# Altium PCB uZed_breakout.PcbDoc (part 3 of 5)
Units mm, origin at the board's own origin, x right, y up, seen from the top; angles counter-clockwise.
Board outline 101.6 x 80.24 mm, 4 copper layers (Top Layer, Layer 1, Layer 2, Bottom Layer), stack 0.603 mm thick; 63 components, 141 nets, 670 pads, 2215 vias.
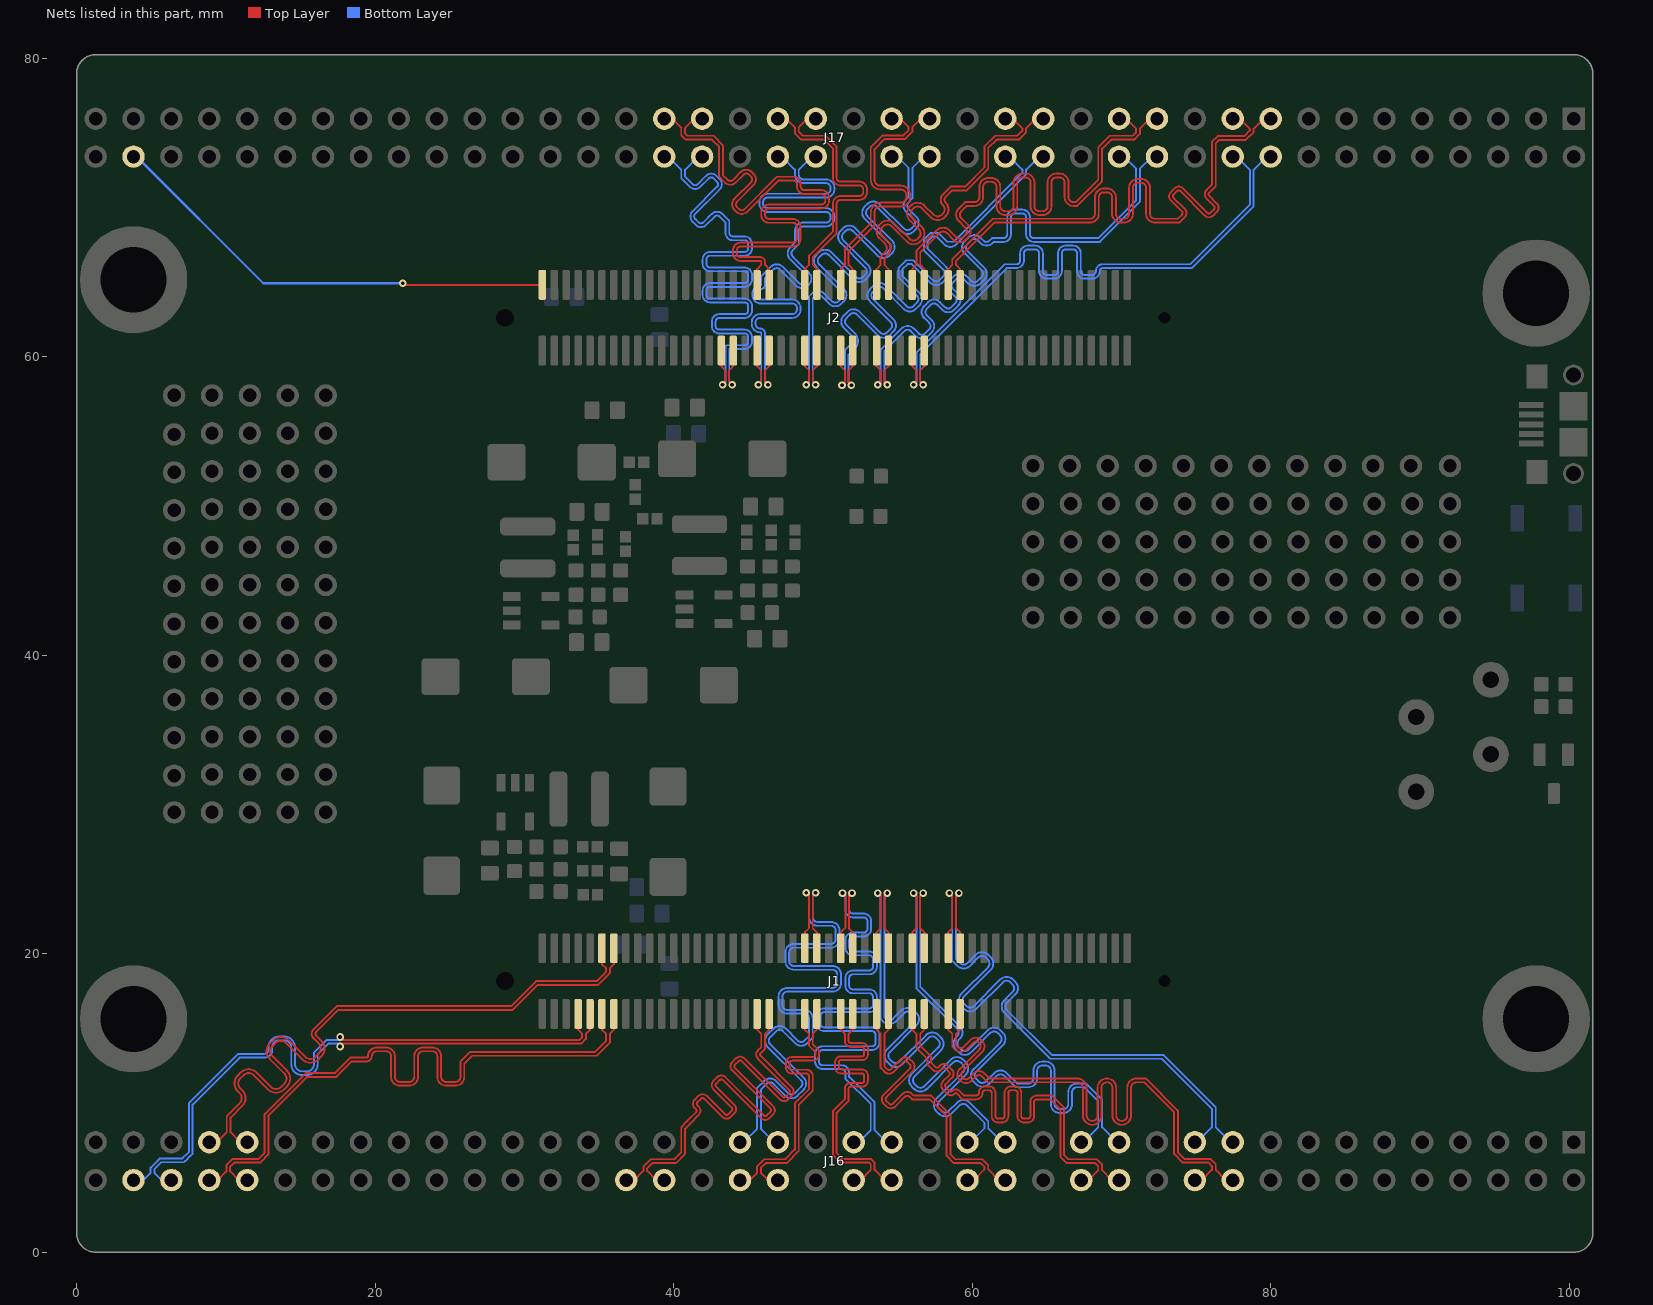
[diagram p5: the nets of this part, all layers, seen from the top]

## Via types
v1: diameter 0.508, hole 0.2, Top Layer to Bottom Layer, tented both sides, 2131 vias
v2: diameter 0.508, hole 0.254, Top Layer to Bottom Layer, tented both sides, 78 vias
v3: diameter 0.711, hole 0.381, Top Layer to Bottom Layer, tented both sides, 5 vias
v4: diameter 0.762, hole 0.381, Top Layer to Bottom Layer, tented both sides, 1 vias

## Nets (pads, with @x,y where several pads share a name; then routed paths per layer and width w, separated by ;. In a path a pad name is that pad's centre, name@x,y a point inside that pad or via, vN(x,y) a via of type N, cw(c..) or ccw(c..) an arc to the next point about the centre after c; other vN are vias at no path point) (continued)
L5_T0_35_N: J2.32 J17.19 | length 41.7
  Top Layer w0.127: J2.32@58.4,64.811 58.4,65.875 58.673,66.148 58.673,66.525 61.388,69.24 67.907,69.24 ccw(c67.907,69.571) 68.237,69.571 68.237,70.68 cw(c68.821,70.68) 68.821,71.265 69.05,71.265 cw(c69.05,70.68) 69.634,70.68 69.634,69.571 ccw(c69.964,69.571) 69.964,69.24 70.193,69.24 ccw(c70.193,69.571) 70.523,69.571 70.523,71.323 cw(c71.107,71.323) 71.107,71.907 71.336,71.907 cw(c71.336,71.323) 71.92,71.323 71.92,69.571 ccw(c72.25,69.571) 72.25,69.24 73.787,69.24 74.072,69.525 ccw(c73.973,69.624) 74.112,69.624 ccw(c73.973,69.624) 74.072,69.723 73.317,70.477 cw(c73.596,70.755) 73.317,71.034 73.569,71.285 cw(c73.847,71.007) 74.125,71.285 75.775,69.635 ccw(c75.874,69.734) 75.973,69.635 76.224,69.887 ccw(c76.125,69.986) 76.265,69.986 ccw(c76.125,69.986) 76.224,70.084 75.706,70.603 cw(c75.984,70.881) 75.706,71.159 76.073,71.526 76.073,74.4 76.45,74.778 78.232,74.778 78.613,75.159 78.613,75.26 77.927,75.946 J17.19@77.47,75.946 J17.19@77.165,75.946
L5_T0_35_P: J2.30 J17.17 | length 41.4
  Top Layer w0.127: J2.30@59.2,64.811 59.2,65.875 58.927,66.148 58.927,66.42 61.493,68.986 67.907,68.986 ccw(c67.907,69.571) 68.491,69.571 68.491,70.68 cw(c68.821,70.68) 68.821,71.011 69.05,71.011 cw(c69.05,70.68) 69.38,70.68 69.38,69.571 ccw(c69.964,69.571) 69.964,68.986 70.193,68.986 ccw(c70.193,69.571) 70.777,69.571 70.777,71.323 cw(c71.107,71.323) 71.107,71.653 71.336,71.653 cw(c71.336,71.323) 71.666,71.323 71.666,69.571 ccw(c72.25,69.571) 72.25,68.986 73.892,68.986 74.251,69.345 ccw(c73.973,69.624) 74.366,69.624 ccw(c73.973,69.624) 74.251,69.902 73.497,70.656 cw(c73.596,70.755) 73.497,70.854 73.748,71.105 cw(c73.847,71.007) 73.946,71.105 75.596,69.456 ccw(c75.874,69.734) 76.152,69.456 76.404,69.707 ccw(c76.125,69.986) 76.519,69.986 ccw(c76.125,69.986) 76.404,70.264 75.886,70.782 cw(c75.984,70.881) 75.886,70.98 76.327,71.421 76.327,74.295 76.556,74.524 78.337,74.524 78.867,75.053 78.867,75.26 79.553,75.946 J17.17@80.01,75.946
L6_T1_34_N: J1.31 J16.22 | length 40.4
  Top Layer w0.127: J1.31@58.4,15.961 58.4,14.897 58.673,14.624 58.673,13.763 58.875,13.561 ccw(c59.24,13.925) 59.605,13.561 60.074,14.03 cw(c60.259,13.845) 60.444,14.03 60.505,13.969 cw(c60.32,13.784) 60.581,13.784 cw(c60.32,13.784) 60.505,13.599 59.169,12.263 ccw(c59.534,11.899) 59.169,11.534 59.231,11.473 ccw(c59.595,11.838) 59.96,11.473 60.276,11.79 cw(c60.461,11.605) 60.646,11.79 61.057,11.379 67.056,11.379 cw(c67.056,11.011) 67.424,11.011 67.424,9.157 ccw(c68.047,9.157) 68.669,9.157 68.669,11.011 cw(c69.037,11.011) 69.406,11.011 69.406,9.157 ccw(c70.028,9.157) 70.65,9.157 70.65,11.011 cw(c71.018,11.011) 71.018,11.379 71.526,11.379 73.533,9.373 73.533,6.575 74.114,5.994 75.844,5.994 76.073,5.766 76.073,5.512 75.387,4.826 J16.22@74.93,4.826
L6_T1_34_P: J1.29 J16.20 | length 40.4
  Top Layer w0.127: J1.29@59.2,15.961 59.2,14.897 58.927,14.624 58.927,13.868 59.055,13.74 ccw(c59.24,13.925) 59.425,13.74 59.894,14.209 cw(c60.259,13.845) 60.623,14.209 60.684,14.148 cw(c60.32,13.784) 60.835,13.784 cw(c60.32,13.784) 60.684,13.419 59.349,12.084 ccw(c59.534,11.899) 59.349,11.714 59.41,11.653 ccw(c59.595,11.838) 59.78,11.653 60.097,11.969 cw(c60.461,11.605) 60.826,11.969 61.162,11.633 67.056,11.633 cw(c67.056,11.011) 67.678,11.011 67.678,9.157 ccw(c68.047,9.157) 68.415,9.157 68.415,11.011 cw(c69.037,11.011) 69.659,11.011 69.659,9.157 ccw(c70.028,9.157) 70.396,9.157 70.396,11.011 cw(c71.018,11.011) 71.018,11.633 71.632,11.633 73.787,9.478 73.787,6.68 74.219,6.248 75.95,6.248 76.327,5.871 76.327,5.512 77.013,4.826 J16.20@77.47,4.826
L6_T1_35_N: J2.37 J17.20 | length 41.2
  Top Layer w0.127: J2.37@56,60.411 56,59.347 56.273,59.074 56.273,58.306 v2(56.083,58.115)
  Bottom Layer w0.127: v2(56.083,58.115) 56.273,58.306 56.273,60.261 62.205,66.192 62.967,66.192 ccw(c62.967,66.446) 63.221,66.446 63.221,66.931 cw(c63.729,66.931) 63.729,67.439 64.237,67.439 cw(c64.237,66.931) 64.745,66.931 64.745,65.735 ccw(c64.999,65.735) 64.999,65.481 65.507,65.481 ccw(c65.507,65.735) 65.761,65.735 65.761,66.931 cw(c66.269,66.931) 66.269,67.439 66.777,67.439 cw(c66.777,66.931) 67.285,66.931 67.285,65.735 ccw(c67.539,65.735) 67.539,65.481 68.047,65.481 ccw(c68.047,65.735) 68.301,65.735 cw(c68.758,65.735) 68.758,66.192 74.625,66.192 78.613,70.18 78.613,72.517 77.724,73.406 J17.20@77.47,73.406
L6_T1_35_P: J2.35 J17.18 | length 41.2
  Top Layer w0.127: v2(56.718,58.115) 56.527,58.306 56.527,59.074 56.8,59.347 J2.35@56.8,60.411
  Bottom Layer w0.127: v2(56.718,58.115) 56.527,58.306 56.527,60.156 62.31,65.938 62.967,65.938 ccw(c62.967,66.446) 63.475,66.446 63.475,66.931 cw(c63.729,66.931) 63.729,67.185 64.237,67.185 cw(c64.237,66.931) 64.491,66.931 64.491,65.735 ccw(c64.999,65.735) 64.999,65.227 65.507,65.227 ccw(c65.507,65.735) 66.015,65.735 66.015,66.931 cw(c66.269,66.931) 66.269,67.185 66.777,67.185 cw(c66.777,66.931) 67.031,66.931 67.031,65.735 ccw(c67.539,65.735) 67.539,65.227 68.047,65.227 ccw(c68.047,65.735) 68.555,65.735 cw(c68.758,65.735) 68.758,65.938 74.73,65.938 78.867,70.075 78.867,72.517 79.756,73.406 J17.18@80.01,73.406
L6_T3_13_N: J2.100 J17.78 | length 31
  Top Layer w0.152: v2(21.844,64.922) 21.955,64.811 J2.100@31.2,64.811
  Bottom Layer w0.152: J17.78@3.81,73.406 4.013,73.406 12.497,64.922 v2(21.844,64.922)
L7_T1_34_N: J1.32 J16.21 | length 41.6
  Top Layer w0.127: J1.32@58.4,20.361 58.4,21.425 58.673,21.698 58.673,23.863 v2(58.483,24.054)
  Bottom Layer w0.127: v2(58.483,24.054) 58.673,23.863 58.673,19.53 59.022,19.181 ccw(c59.442,19.602) 59.862,19.181 60.422,19.742 cw(c60.663,19.501) 60.904,19.742 61.069,19.577 cw(c60.828,19.336) 61.169,19.336 cw(c60.828,19.336) 61.069,19.095 59.287,17.314 ccw(c59.708,16.893) 59.287,16.473 59.453,16.308 ccw(c59.873,16.728) 60.293,16.308 62.075,18.089 cw(c62.315,17.849) 62.556,18.089 62.721,17.924 cw(c62.481,17.684) 62.821,17.684 cw(c62.481,17.684) 62.721,17.443 62.161,16.883 ccw(c62.581,16.462) 62.161,16.042 65.249,12.954 72.72,12.954 76.073,9.601 76.073,8.357 75.082,7.366 J16.21@74.93,7.366
L7_T1_34_P: J1.30 J16.19 | length 41.6
  Top Layer w0.127: v2(59.118,24.054) 58.927,23.863 58.927,21.698 59.2,21.425 J1.30@59.2,20.361
  Bottom Layer w0.127: v2(59.118,24.054) 58.927,23.863 58.927,19.635 59.201,19.361 ccw(c59.442,19.602) 59.682,19.361 60.243,19.921 cw(c60.663,19.501) 61.083,19.921 61.249,19.756 cw(c60.828,19.336) 61.423,19.336 cw(c60.828,19.336) 61.249,18.916 59.467,17.134 ccw(c59.708,16.893) 59.467,16.653 59.632,16.487 ccw(c59.873,16.728) 60.114,16.487 61.895,18.269 cw(c62.315,17.849) 62.736,18.269 62.901,18.104 cw(c62.481,17.684) 63.075,17.684 cw(c62.481,17.684) 62.901,17.263 62.341,16.703 ccw(c62.581,16.462) 62.341,16.222 65.354,13.208 72.825,13.208 76.327,9.706 76.327,8.357 77.318,7.366 J16.19@77.47,7.366
L7_T1_35_N: J2.38 J17.25 | length 36.6
  Top Layer w0.127: J2.38@56,64.811 56,65.875 56.273,66.148 56.273,67.097 57.646,68.47 cw(c58.059,68.057) 58.473,68.47 58.927,68.016 ccw(c59.16,68.25) 59.394,68.016 59.555,68.178 ccw(c59.322,68.411) 59.652,68.411 ccw(c59.322,68.411) 59.555,68.645 59.101,69.099 cw(c59.514,69.512) 59.101,69.925 59.534,70.358 60.16,70.358 ccw(c60.16,70.688) 60.49,70.688 60.49,71.392 cw(c61.074,71.392) 61.074,71.976 61.303,71.976 cw(c61.303,71.392) 61.887,71.392 61.887,70.079 ccw(c62.217,70.079) 62.217,69.748 62.446,69.748 ccw(c62.446,70.079) 62.776,70.079 62.776,71.679 cw(c63.36,71.679) 63.36,72.263 63.589,72.263 cw(c63.589,71.679) 64.173,71.679 64.173,70.079 ccw(c64.503,70.079) 64.503,69.748 64.732,69.748 ccw(c64.732,70.079) 65.062,70.079 65.062,71.679 cw(c65.646,71.679) 65.646,72.263 65.875,72.263 cw(c65.875,71.679) 66.459,71.679 66.459,70.688 ccw(c66.789,70.688) 66.789,70.358 66.954,70.358 68.453,71.857 68.453,74.045 69.211,74.803 70.761,74.803 70.993,75.035 70.993,75.286 70.333,75.946 J17.25@69.85,75.946
L7_T1_35_P: J2.36 J17.23 | length 36.6
  Top Layer w0.127: J2.36@56.8,64.811 56.8,65.875 56.527,66.148 56.527,66.992 57.826,68.291 cw(c58.059,68.057) 58.293,68.291 58.747,67.837 ccw(c59.16,68.25) 59.573,67.837 59.735,67.998 ccw(c59.322,68.411) 59.906,68.411 ccw(c59.322,68.411) 59.735,68.824 59.281,69.279 cw(c59.514,69.512) 59.281,69.746 59.639,70.104 60.16,70.104 ccw(c60.16,70.688) 60.744,70.688 60.744,71.392 cw(c61.074,71.392) 61.074,71.722 61.303,71.722 cw(c61.303,71.392) 61.633,71.392 61.633,70.079 ccw(c62.217,70.079) 62.217,69.494 62.446,69.494 ccw(c62.446,70.079) 63.03,70.079 63.03,71.679 cw(c63.36,71.679) 63.36,72.009 63.589,72.009 cw(c63.589,71.679) 63.919,71.679 63.919,70.079 ccw(c64.503,70.079) 64.503,69.494 64.732,69.494 ccw(c64.732,70.079) 65.316,70.079 65.316,71.679 cw(c65.646,71.679) 65.646,72.009 65.875,72.009 cw(c65.875,71.679) 66.205,71.679 66.205,70.688 ccw(c66.789,70.688) 66.789,70.104 67.06,70.104 68.707,71.751 68.707,73.939 69.317,74.549 70.866,74.549 71.247,74.93 71.247,75.286 71.907,75.946 J17.23@72.39,75.946
L8_T1_34_N: J1.37 J16.28 | length 30.6
  Top Layer w0.127: J1.37@56,15.961 56,14.897 56.273,14.624 56.273,13.7 57.003,12.97 57.003,12.589 57.376,12.217 ccw(c57.654,12.495) 57.932,12.217 58.022,12.307 cw(c58.121,12.208) 58.22,12.307 58.471,12.055 cw(c58.372,11.956) 58.512,11.956 cw(c58.372,11.956) 58.471,11.858 58.05,11.437 ccw(c58.329,11.159) 58.05,10.88 58.302,10.629 ccw(c58.58,10.907) 58.859,10.629 cw(c58.911,10.576) 58.964,10.629 59.356,10.236 60.277,10.236 ccw(c60.277,10.665) 60.706,10.665 ; 60.706,10.671 cw(c60.881,10.671) 60.881,10.846 61.14,10.846 cw(c61.14,10.671) 61.316,10.671 61.316,9.116 ccw(c61.745,9.116) 61.745,8.687 62.004,8.687 ccw(c62.004,9.116) 62.433,9.116 62.433,10.671 cw(c62.608,10.671) 62.608,10.846 62.868,10.846 cw(c62.868,10.671) 63.043,10.671 63.043,9.116 ccw(c63.472,9.116) 63.472,8.687 63.731,8.687 ccw(c63.731,9.116) 64.16,9.116 64.16,10.061 cw(c64.336,10.061) 64.336,10.236 65.253,10.236 65.913,9.576 65.913,6.397 66.341,5.969 68.246,5.969 68.453,5.762 68.453,5.486 67.793,4.826 J16.28@67.31,4.826
L8_T1_34_P: J1.35 J16.26 | length 30.6
  Top Layer w0.127: J1.35@56.8,15.961 56.8,14.897 56.527,14.624 56.527,13.818 57.226,13.118 57.226,13.106 57.257,13.075 57.257,12.695 57.555,12.396 ccw(c57.654,12.495) 57.753,12.396 57.842,12.486 cw(c58.121,12.208) 58.399,12.486 58.651,12.235 cw(c58.372,11.956) 58.766,11.956 cw(c58.372,11.956) 58.651,11.678 58.23,11.257 ccw(c58.329,11.159) 58.23,11.06 58.482,10.808 ccw(c58.58,10.907) 58.679,10.808 cw(c58.911,10.576) 59.143,10.808 59.461,10.49 60.277,10.49 ccw(c60.277,10.665) 60.452,10.665 ; 60.452,10.671 cw(c60.881,10.671) 60.881,11.1 61.14,11.1 cw(c61.14,10.671) 61.57,10.671 61.57,9.116 ccw(c61.745,9.116) 61.745,8.941 62.004,8.941 ccw(c62.004,9.116) 62.179,9.116 62.179,10.671 cw(c62.608,10.671) 62.608,11.1 62.868,11.1 cw(c62.868,10.671) 63.297,10.671 63.297,9.116 ccw(c63.472,9.116) 63.472,8.941 63.731,8.941 ccw(c63.731,9.116) 63.906,9.116 63.906,10.061 cw(c64.336,10.061) 64.336,10.49 65.358,10.49 65.51,10.338 66.167,9.681 66.167,6.502 66.446,6.223 68.351,6.223 68.707,5.867 68.707,5.486 69.367,4.826 J16.26@69.85,4.826
L8_T1_35_N: J2.43 J17.26 | length 40.5
  Top Layer w0.127: J2.43@53.6,60.411 53.6,59.347 53.873,59.074 v2@53.873,58.217
  Bottom Layer w0.127: v2(53.683,58.115) 53.873,58.306 53.873,60.481 55.288,61.896 cw(c55.686,61.498) 56.084,61.896 56.419,61.561 ccw(c56.637,61.779) 56.855,61.561 57.119,61.825 ccw(c56.901,62.043) 57.209,62.043 ccw(c56.901,62.043) 57.119,62.262 56.784,62.596 cw(c57.182,62.994) 56.784,63.392 57.048,63.656 cw(c57.446,63.258) 57.844,63.656 58.179,63.321 ccw(c58.397,63.54) 58.615,63.321 58.879,63.585 ccw(c58.661,63.804) 58.97,63.804 ccw(c58.661,63.804) 58.879,64.022 58.545,64.356 cw(c58.942,64.754) 58.545,65.152 58.809,65.416 cw(c59.206,65.018) 59.604,65.416 59.939,65.081 ccw(c60.157,65.3) 60.375,65.081 60.639,65.345 ccw(c60.421,65.564) 60.73,65.564 ccw(c60.421,65.564) 60.639,65.782 59.495,66.926 cw(c59.893,67.324) 59.495,67.721 59.759,67.985 cw(c60.157,67.588) 60.555,67.985 60.766,67.775 ccw(c60.966,67.976) 61.167,67.775 61.339,67.947 62.103,67.947 ccw(c62.103,68.201) 62.357,68.201 62.357,69.344 cw(c62.865,69.344) 62.865,69.852 63.373,69.852 cw(c63.373,69.344) 63.881,69.344 63.881,68.201 ccw(c64.135,68.201) 64.135,67.947 68.455,67.947 70.993,70.485 70.993,72.593 70.18,73.406 J17.26@69.85,73.406
L8_T1_35_P: J2.41 J17.24 | length 40.7
  Top Layer w0.127: v2(54.318,58.115) 54.229,58.115 54.127,58.217 54.127,59.074 54.4,59.347 J2.41@54.4,60.411
  Bottom Layer w0.127: v2(54.318,58.115) 54.127,58.306 54.127,60.375 55.468,61.716 cw(c55.686,61.498) 55.904,61.716 56.239,61.382 ccw(c56.637,61.779) 57.035,61.382 57.299,61.646 ccw(c56.901,62.043) 57.463,62.043 ccw(c56.901,62.043) 57.299,62.441 56.964,62.776 cw(c57.182,62.994) 56.964,63.212 57.228,63.476 cw(c57.446,63.258) 57.664,63.476 57.999,63.142 ccw(c58.397,63.54) 58.795,63.142 59.059,63.406 ccw(c58.661,63.804) 59.224,63.804 ccw(c58.661,63.804) 59.059,64.201 58.724,64.536 cw(c58.942,64.754) 58.724,64.973 58.988,65.237 cw(c59.206,65.018) 59.425,65.237 59.759,64.902 ccw(c60.157,65.3) 60.555,64.902 60.819,65.166 ccw(c60.421,65.564) 60.984,65.564 ccw(c60.421,65.564) 60.819,65.962 59.675,67.105 cw(c59.893,67.324) 59.675,67.542 59.939,67.806 cw(c60.157,67.588) 60.375,67.806 60.586,67.595 ccw(c60.966,67.976) 61.347,67.595 61.444,67.693 62.103,67.693 ccw(c62.103,68.201) 62.611,68.201 62.611,69.344 cw(c62.865,69.344) 62.865,69.598 63.373,69.598 cw(c63.373,69.344) 63.627,69.344 63.627,68.201 ccw(c64.135,68.201) 64.135,67.693 68.56,67.693 68.634,67.767 71.247,70.38 71.247,72.593 72.06,73.406 J17.24@72.39,73.406
L9_T1_34_N: J1.38 J16.27 | length 41.5
  Top Layer w0.127: J1.38@56,20.361 56,21.425 56.273,21.698 56.273,23.863 v2(56.083,24.054)
  Bottom Layer w0.127: v2(56.083,24.054) 56.273,23.863 56.273,17.688 59.006,14.955 cw(c58.765,14.714) 59.106,14.714 cw(c58.765,14.714) 59.006,14.474 58.929,14.397 ccw(c59.35,13.977) 58.929,13.557 59.095,13.391 ccw(c59.515,13.812) 59.935,13.391 61.233,14.689 cw(c61.474,14.449) 61.715,14.689 61.88,14.524 cw(c61.639,14.283) 61.979,14.283 cw(c61.639,14.283) 61.88,14.043 60.098,12.261 ccw(c60.518,11.841) 60.098,11.42 60.263,11.255 ccw(c60.684,11.676) 61.104,11.255 61.664,11.816 cw(c61.905,11.575) 62.146,11.816 62.912,11.049 63.769,11.049 ccw(c63.769,11.643) 64.364,11.643 64.364,12.165 cw(c64.704,12.165) 64.704,12.505 64.938,12.505 cw(c64.938,12.165) 65.278,12.165 65.278,9.916 ccw(c65.872,9.916) 65.872,9.322 66.106,9.322 ccw(c66.106,9.916) 66.7,9.916 66.7,10.709 cw(c67.041,10.709) 67.041,11.049 67.513,11.049 68.453,10.109 68.453,8.357 67.462,7.366 J16.27@67.31,7.366
L9_T1_34_P: J1.36 J16.25 | length 41.5
  Top Layer w0.127: v2(56.718,24.054) 56.527,23.863 56.527,21.698 56.8,21.425 J1.36@56.8,20.361
  Bottom Layer w0.127: v2(56.718,24.054) 56.527,23.863 56.527,17.793 59.186,15.135 cw(c58.765,14.714) 59.36,14.714 cw(c58.765,14.714) 59.186,14.294 59.109,14.218 ccw(c59.35,13.977) 59.109,13.736 59.274,13.571 ccw(c59.515,13.812) 59.756,13.571 61.054,14.869 cw(c61.474,14.449) 61.894,14.869 62.059,14.704 cw(c61.639,14.283) 62.233,14.283 cw(c61.639,14.283) 62.059,13.863 60.278,12.081 ccw(c60.518,11.841) 60.278,11.6 60.443,11.435 ccw(c60.684,11.676) 60.924,11.435 61.485,11.995 cw(c61.905,11.575) 62.325,11.995 63.017,11.303 63.769,11.303 ccw(c63.769,11.643) 64.11,11.643 64.11,12.165 cw(c64.704,12.165) 64.704,12.759 64.938,12.759 cw(c64.938,12.165) 65.532,12.165 65.532,9.916 ccw(c65.872,9.916) 65.872,9.576 66.106,9.576 ccw(c66.106,9.916) 66.446,9.916 66.446,10.709 cw(c67.041,10.709) 67.041,11.303 67.618,11.303 68.707,10.214 68.707,8.357 69.698,7.366 J16.25@69.85,7.366
L9_T1_35_N: J2.44 J17.31 | length 24
  Top Layer w0.127: J2.44@53.6,64.811 53.6,65.875 53.873,66.148 53.873,66.704 54.176,67.007 ccw(c53.902,67.281) 54.29,67.281 ccw(c53.902,67.281) 54.176,67.555 53.797,67.934 cw(c54.25,68.388) 53.797,68.841 53.878,68.922 cw(c54.331,68.468) 54.785,68.922 55.808,67.898 ccw(c56.082,68.172) 56.356,67.898 56.437,67.979 ccw(c56.163,68.253) 56.55,68.253 ccw(c56.163,68.253) 56.437,68.527 55.821,69.142 cw(c56.275,69.596) 55.821,70.049 55.902,70.13 cw(c56.356,69.677) 56.809,70.13 57.425,69.515 ccw(c57.698,69.789) 57.972,69.515 58.053,69.596 ccw(c57.779,69.869) 58.167,69.869 ccw(c57.779,69.869) 58.053,70.143 cw(c58.423,70.514) 58.053,70.884 58.569,71.399 59.538,71.399 60.833,72.695 60.833,74.092 60.96,74.219 61.544,74.803 63.043,74.803 63.373,75.133 63.373,75.311 62.738,75.946 J17.31@62.23,75.946
L9_T1_35_P: J2.42 J17.29 | length 24
  Top Layer w0.127: J2.42@54.4,64.811 54.4,65.875 54.127,66.148 54.127,66.598 54.356,66.827 ccw(c53.902,67.281) 54.544,67.281 ccw(c53.902,67.281) 54.356,67.734 53.976,68.114 cw(c54.25,68.388) 53.976,68.661 54.057,68.742 cw(c54.331,68.468) 54.605,68.742 55.629,67.719 ccw(c56.082,68.172) 56.536,67.719 56.616,67.8 ccw(c56.163,68.253) 56.804,68.253 ccw(c56.163,68.253) 56.616,68.707 56.001,69.322 cw(c56.275,69.596) 56.001,69.87 56.082,69.95 cw(c56.356,69.677) 56.63,69.95 57.245,69.335 ccw(c57.698,69.789) 58.152,69.335 58.233,69.416 ccw(c57.779,69.869) 58.421,69.869 ccw(c57.779,69.869) 58.233,70.323 cw(c58.423,70.514) 58.233,70.704 58.674,71.145 59.643,71.145 60.96,72.463 61.087,72.59 61.087,73.987 61.649,74.549 63.148,74.549 63.222,74.623 63.627,75.028 63.627,75.311 64.262,75.946 J17.29@64.77,75.946
L10_T1_34_N: J1.43 J16.34 | length 22
  Top Layer w0.127: J1.43@53.6,15.961 53.6,14.897 53.873,14.624 53.873,12.341 54.137,12.077 ccw(c54.44,12.381) 54.744,12.077 55.412,12.745 cw(c55.536,12.621) 55.66,12.745 55.843,12.562 cw(c55.719,12.438) 55.894,12.438 cw(c55.719,12.438) 55.843,12.314 54.079,10.551 ccw(c54.383,10.247) 54.079,9.944 54.262,9.76 ccw(c54.566,10.064) 54.869,9.76 55.537,10.429 cw(c55.661,10.305) 55.785,10.429 55.978,10.236 57.15,10.236 58.293,9.093 58.293,6.448 58.772,5.969 60.579,5.969 60.833,5.715 60.833,5.537 60.122,4.826 J16.34@59.69,4.826
L10_T1_34_P: J1.41 J16.32 | length 22
  Top Layer w0.127: J1.41@54.4,15.961 54.4,14.897 54.127,14.624 54.127,12.446 54.316,12.257 ccw(c54.44,12.381) 54.564,12.257 55.232,12.925 cw(c55.536,12.621) 55.839,12.925 56.022,12.742 cw(c55.719,12.438) 56.148,12.438 cw(c55.719,12.438) 56.022,12.135 54.259,10.371 ccw(c54.383,10.247) 54.259,10.123 54.442,9.94 ccw(c54.566,10.064) 54.69,9.94 55.358,10.608 cw(c55.661,10.305) 55.965,10.608 56.083,10.49 57.255,10.49 58.547,9.198 58.547,6.553 58.877,6.223 60.684,6.223 61.087,5.82 61.087,5.537 61.798,4.826 J16.32@62.23,4.826
L10_T1_35_N: J2.49 J17.32 | length 39.5
  Top Layer w0.127: J2.49@51.2,60.411 51.2,59.347 51.473,59.074 51.473,58.268
  Bottom Layer w0.127: v2(51.283,58.09) 51.473,58.28 51.473,58.826 ; 51.473,58.932 51.473,60.417 51.984,60.929 ccw(c51.766,61.147) 52.075,61.147 ccw(c51.766,61.147) 51.984,61.365 51.397,61.952 cw(c51.795,62.35) 51.397,62.748 51.661,63.012 cw(c52.059,62.614) 52.457,63.012 53.853,61.616 ccw(c54.071,61.834) 54.29,61.616 54.554,61.88 ccw(c54.335,62.098) 54.644,62.098 ccw(c54.335,62.098) 54.554,62.316 53.157,63.713 cw(c53.555,64.11) 53.157,64.508 53.421,64.772 cw(c53.819,64.374) 54.217,64.772 55.613,63.376 ccw(c55.832,63.594) 56.05,63.376 56.314,63.64 ccw(c56.096,63.858) 56.404,63.858 ccw(c56.096,63.858) 56.314,64.076 55.151,65.239 55.076,65.314 55.076,65.961 55.575,66.459 56.05,66.459 57.373,65.136 ccw(c57.592,65.354) 57.81,65.136 58.074,65.4 ccw(c57.856,65.618) 58.164,65.618 ccw(c57.856,65.618) 58.074,65.836 56.769,67.141 56.769,67.847 57.223,68.301 57.738,68.301 58.333,67.705 58.761,67.705 63.373,72.317 63.373,72.542 62.509,73.406 J17.32@62.23,73.406
L10_T1_35_P: J2.47 J17.30 | length 39.6
  Top Layer w0.127: 51.727,58.268 51.727,59.074 52,59.347 J2.47@52,60.411
  Bottom Layer w0.127: v2(51.918,58.09) 51.727,58.28 51.727,60.138 52.164,60.575 ccw(c51.679,61.06) 52.164,61.545 51.577,62.132 cw(c51.795,62.35) 51.577,62.569 51.841,62.833 cw(c52.059,62.614) 52.277,62.833 53.674,61.436 ccw(c54.071,61.834) 54.469,61.436 54.733,61.7 ccw(c54.335,62.098) 54.898,62.098 ccw(c54.335,62.098) 54.733,62.496 53.337,63.892 cw(c53.555,64.11) 53.337,64.329 53.601,64.593 cw(c53.819,64.374) 54.037,64.593 55.434,63.196 ccw(c55.832,63.594) 56.229,63.196 56.493,63.46 ccw(c56.096,63.858) 56.658,63.858 ccw(c56.096,63.858) 56.493,64.256 55.33,65.419 55.33,65.855 55.68,66.205 55.945,66.205 57.194,64.956 ccw(c57.592,65.354) 57.989,64.956 58.254,65.22 ccw(c57.856,65.618) 58.418,65.618 ccw(c57.856,65.618) 58.254,66.016 57.023,67.246 57.023,67.742 57.328,68.047 57.633,68.047 58.145,67.534 58.145,67.526 ccw(c58.543,67.923) 58.94,67.526 63.627,72.212 63.627,72.542 64.491,73.406 J17.30@64.77,73.406